# Altium PCB Simulation.PcbDoc (part 3 of 3)
Units mil, origin at the board's own origin, x right, y up, seen from the top; angles counter-clockwise.
Board outline 4400 x 4255 mil, 4 copper layers (Top Layer, Internal Plane 1, Internal Plane 2, Bottom Layer), stack 18.2 mil thick; 378 components, 286 nets, 1122 pads, 110 vias.
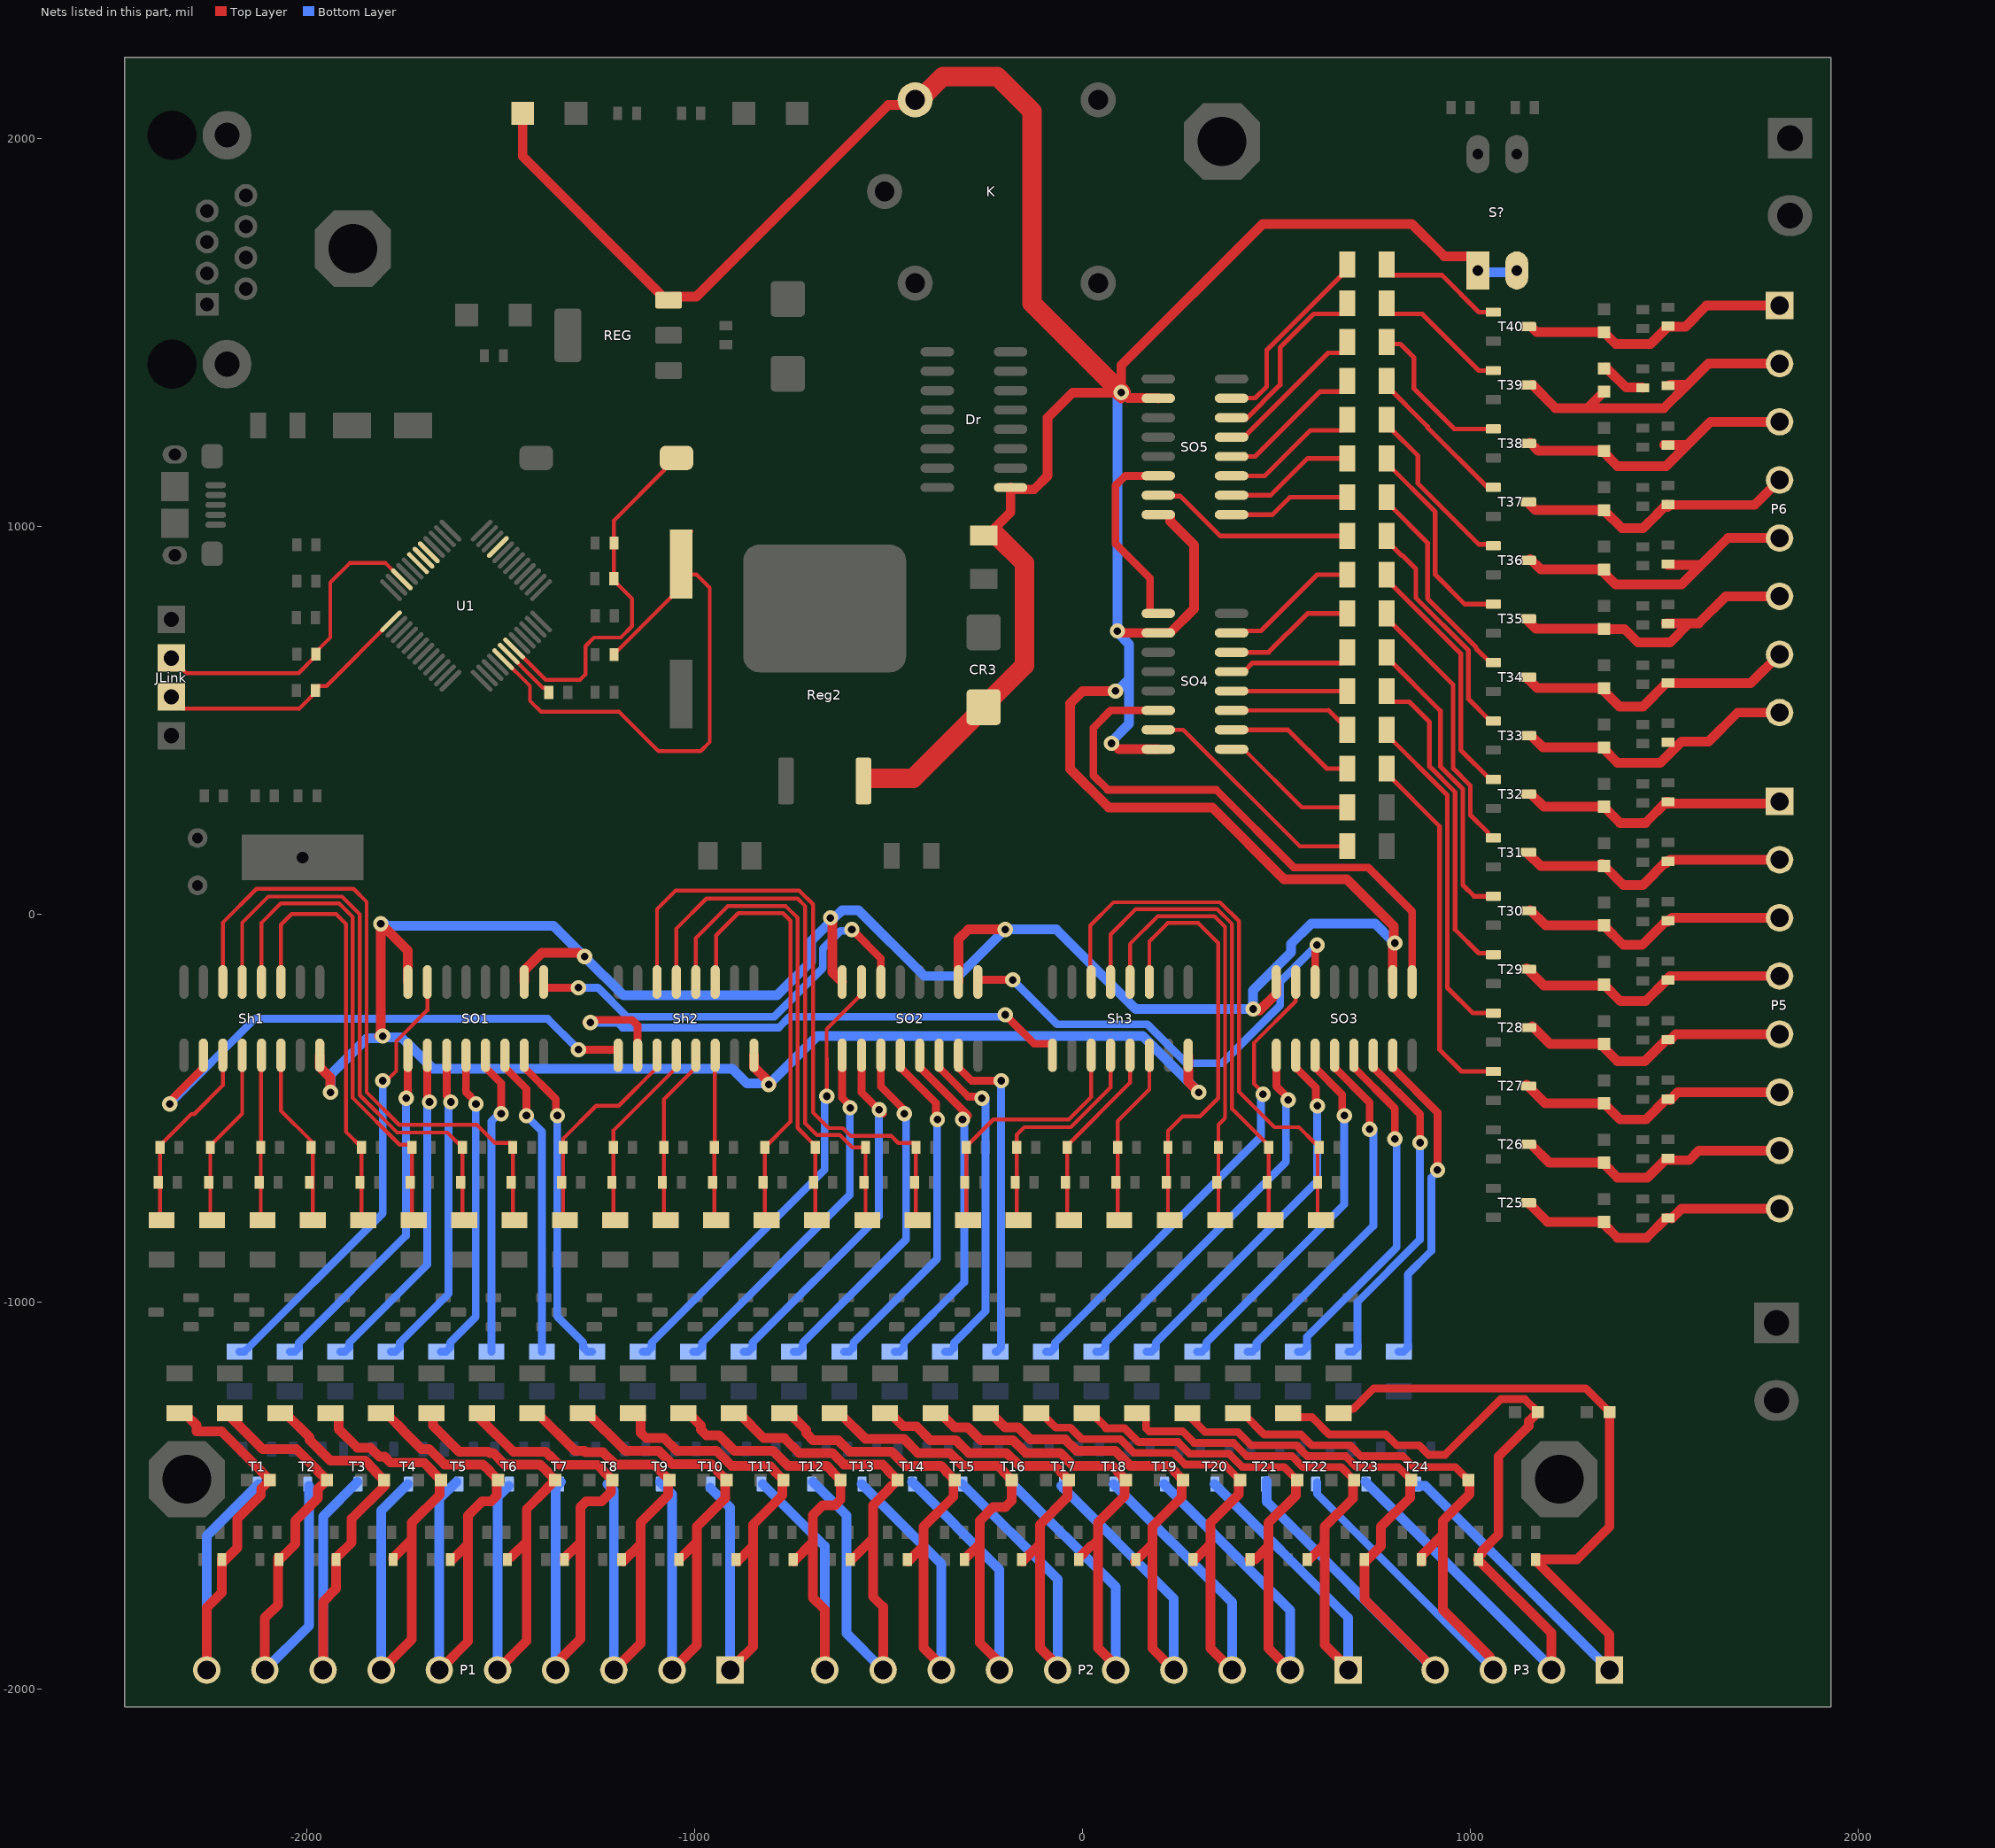
[diagram p5: the nets of this part, all layers, seen from the top]

## Via types
v1: diameter 39.37, hole 19.68, Top Layer to Bottom Layer, 107 vias
v2: diameter 78.74, hole 39.37, Top Layer to Bottom Layer, 3 vias

## Nets (pads, with @x,y where several pads share a name; then routed paths per layer and width w, separated by ;. In a path a pad name is that pad's centre, name@x,y a point inside that pad or via, vN(x,y) a via of type N, cw(c..) or ccw(c..) an arc to the next point about the centre after c; other vN are vias at no path point) (continued)
NetRF27_1: RF27.1 T27.1 | length 963.3
  Top Layer w12: RF27.1@785,395 RF27.1@785,375 785,362.2 921.14,226.07 921.14,-350 977.4,-406.27 T27.1@1059.72,-406.27
NetRF28_1: RF28.1 T28.1 | length 875.5
  Top Layer w12: RF28.1@785,475 785,462.2 941.01,306.19 941.01,-190 1006.61,-255.6 T28.1@1059.72,-255.6
NetRF29_1: RF29.1 T29.1 | length 841.6
  Top Layer w12: RF29.1@790,580 790,557.2 799.67,547.54 842.46,547.54 895,495 895,380.31 960.89,314.43 960.89,-40 1022.04,-101.15 1055.95,-101.15 T29.1@1059.72,-104.93
NetRF30_1: RF30.1 T30.1 | length 775.1
  Top Layer w12: RF30.1@790,680 790,657.2 923.11,524.1 923.11,380.31 980.76,322.66 980.76,75 1010.02,45.73 T30.1@1059.72,45.73
NetRF31_1: RF31.1 T31.1 | length 699.9
  Top Layer w12: RF31.1@790,780 790,757.2 955.76,591.44 955.76,375.76 1000.63,330.89 1000.63,255.49 1046.04,210.09 1046.04,202.21 1051.85,196.4 T31.1@1059.72,196.4
NetRF32_1: RF32.1 T32.1 | length 644.3
  Top Layer w12: RF32.1@790,875 790,857.2 975.64,671.57 975.64,423.28 1051.85,347.07 T32.1@1059.72,347.07
NetRF33_1: RF33.1 T33.1 | length 585.2
  Top Layer w12: RF33.1@790,965 790,957.2 821.95,925.25 824.75,925.25 860,890 860,815.31 995.51,679.8 995.51,554.08 1051.85,497.73 T33.1@1059.72,497.73
NetRF34_1: RF34.1 T34.1 | length 547.9
  Top Layer w12: RF34.1@790,1080 790,1057.2 890,957.2 890,813.42 1015.38,688.03 1015.38,684.87 1051.85,648.4 T34.1@1059.72,648.4
NetRF35_1: RF35.1 T35.1 | length 543
  Top Layer w12: RF35.1@785,1185 RF35.1@785,1175 785,1162.2 909.87,1037.33 909.87,875 985.81,799.07 T35.1@1059.72,799.07
NetRF36_1: RF36.1 T36.1 | length 432.1
  Top Layer w12: RF36.1@795,1252.2 865,1182.2 865,1110.31 1022.04,953.27 1056.19,953.27 T36.1@1059.72,949.73
NetRF37_1: RF37.1 T37.1 | length 399.3
  Top Layer w12: RF37.1@780,1375 780,1367.2 890,1257.2 890,1255 1044.6,1100.4 T37.1@1059.72,1100.4
NetRF38_1: RF38.1 T38.1 | length 409.3
  Top Layer w12: RF38.1@790,1475 795,1470 820,1470 855,1435 855,1355 958.93,1251.07 T38.1@1059.72,1251.07
NetRF39_1: RF39.1 T39.1 | length 354
  Top Layer w12: RF39.1@785,1575 785,1562.2 799.67,1547.54 876.24,1547.54 1022.04,1401.73 T39.1@1059.72,1401.73
NetRF40_1: RF40.1 T40.1 | length 343
  Top Layer w12: RF40.1@785,1685 RF40.1@785,1675 785,1662.2 799.67,1647.54 926.9,1647.54 1022.04,1552.4 T40.1@1059.72,1552.4
NetRL39_1: RL39.1 UP.1 | length 116.9
  Top Layer w25: UP.1@1350,1410 1402.24,1357.76 1444.31,1357.76 RL39.1@1445,1357.07
NetSh1_10: Sh1.10 Sh2.9 | length 1456.8
  Top Layer w20: v1@-2355,-495 -2355,-483.64 -2267.35,-395.98 Sh1.10@-2267.35,-364.49 ; v1@-1295,-355 -1295,-353.95 -1291.05,-350 -1199.09,-350 -1197.42,-351.67 Sh2.9@-1197.42,-364.49
  Bottom Layer w20: v1(-2354.33,-490) -2134.71,-270.37 -1379.63,-270.37 -1305,-345 v1@-1305,-350
  other v1: -1300,-350
NetSh2_10: Sh2.10 Sh3.9 | length 1474.5
  Top Layer w20: v1@-1280,-280 -1273.28,-273.28 -1161.72,-273.28 -1147.42,-287.58 Sh2.10@-1147.42,-364.49 ; v1@-195,-265 -194.33,-265 -124.54,-334.8 -79.16,-334.8 -77.49,-336.47 Sh3.9@-77.49,-364.49
  Bottom Layer w20: v1(-1269.33,-280) -1268.98,-280.35 -1199.07,-280.35 -1186.55,-292.87 -783.45,-292.87 -755.58,-265 v1@-205,-265
  other v1: -199.33,-260
NetSO1_9: SO1.9 SO2.14 | length 1126.5
  Top Layer w20: SO1.9@-1389.86,-175.51 -1389.86,-188.33 -1388.19,-190 v1(-1300,-190) ; v1@-590,-40 -590,-45 -519.93,-115.07 SO2.14@-519.93,-175.51
  Bottom Layer w20: v1(-1300,-190) -1250,-190 -1175,-265 -795,-265 -669.54,-139.54 -669.54,-89.54 -623.71,-43.71 -598.71,-43.71 v1(-595,-40)
NetSO2_9: SO2.9 SO3.14 | length 1225.3
  Top Layer w20: SO2.9@-269.93,-175.51 -269.93,-171.67 -268.26,-170 -188.95,-170 -185,-166.05 v1@-185,-165 ; SO3.14@600,-175.51 600,-90.24 605,-85.24 v1(605,-80)
  Bottom Layer w20: v1(-180,-170) -65.37,-284.63 167.58,-284.63 267.96,-385 360,-385 510,-235 510,-175 v1(605,-80)
NetSO3_9: SO3.9 SO4.14 | length 1443
  Top Layer w20: SO4.14@180,525 72.87,525 27.87,480 27.87,357.46 65.33,320 345,320 545,120 736.88,120 850,6.88 SO3.9@850,-175.51
NetSO4_9: SO4.9 SO5.14 | length 507.7
  Top Layer w20: SO5.14@195,1130 110,1130 85,1105 85,955 174.02,865.98 174.02,776.67 175.69,775 SO4.9@195.51,775
NetU1_21: U1.21
NetU1_29: U1.29
NetU1_30: U1.30
NetU1_31: U1.31
OSCIN: C6.1 U1.5 Y2.2 | length 1579.8
  Top Layer w10: U1.5@-1493.96,657.2 -1425,588.24 -1425,550 -1396.5,521.5 -1195.39,521.5 -1093.89,420 -985,420 -961.5,443.5 -961.5,841.5 -995.86,875.86 -1010.47,875.86 -1030,895.39 Y2.2@-1030,920 ; C6.1@-1208.31,668.83 -1208.31,673.75 -1201.5,680.56 -1197.9,680.56 -1035,843.47 Y2.2@-1035,902.52 -1035,961.58 -1010.47,986.1 Y2.2@-1008.31,986.1
OSCOUT: R3.1 U1.6 | length 147.8
  Top Layer w10: U1.6@-1480.04,671.12 -1392.13,583.21 -1383.25,583.21 -1376.44,576.4 R3.1@-1376.44,571.48
RESET: C10.1 R10.2 RES.2 U1.7 | length 961.9
  Top Layer w10: U1.7@-1466.12,685.04 -1465.63,685.04 -1384.73,604.14 -1295.86,604.14 -1281.99,618.01 -1281.99,690.9 -1260.01,712.88 -1190.87,712.88 -1161.77,741.98 -1161.77,813.27 -1208.61,860.12 R10.2@-1208.61,865.04 -1208.46,865.19 -1208.46,956.85 C10.1@-1208.31,957 -1208.31,1015.23 -1078.54,1145.01 -1078.54,1150.8 -1052.86,1176.48 RES.2@-1047.06,1176.48
SI24_0: L1.2 P1.10 RJ1.1 RP1.2 T1.3 | length 1408.3
  Top Layer w25: RJ1.1@-2330,-1295 -2308.86,-1295 -2285,-1318.86 -2285,-1335 -2219.69,-1335 -2118.88,-1435.81 -2118.88,-1437.07 L1.2@-2095.94,-1460 -2118.88,-1482.93 -2118.88,-1498.88 -2180,-1560 -2180,-1635 RP1.2@-2215,-1670 ; P1.10@-2258.72,-1950 -2258.72,-1788.72 -2220,-1750 RP1.2@-2220,-1665
  Bottom Layer w25: P1.10@-2258.72,-1950 -2258.72,-1603.72 T1.3@-2125,-1470
SI24_1: L2.2 P1.9 RJ2.1 RP2.2 T2.3 | length 1414.6
  Top Layer w25: RJ2.1@-2195,-1280 -2195,-1300 -2115,-1380 -2027.5,-1380 -1971.68,-1435.81 -1971.68,-1437.07 L2.2@-1948.75,-1460 -1971.68,-1482.93 -1971.68,-1506.68 -2030,-1565 -2030,-1625 RP2.2@-2070,-1665 ; P1.9@-2108.72,-1950 -2108.72,-1815.65 -2075,-1781.94 RP2.2@-2075,-1660
  Bottom Layer w25: P1.9@-2108.72,-1950 -1995,-1836.28 T2.3@-1995,-1475
SI24_2: L3.2 P1.8 RJ3.1 RP3.2 T3.3 | length 1411.8
  Top Layer w25: RJ3.1@-2070.18,-1290 -2053.86,-1290 -1994.16,-1349.7 -1994.16,-1355.84 -1940,-1410 -1850.3,-1410 -1824.49,-1435.81 -1824.49,-1437.07 L3.2@-1801.56,-1460 ; P1.8@-1958.72,-1950 -1958.72,-1773.72 -1925,-1740 RP3.2@-1925,-1669.23 ; RP3.2@-1925.31,-1665 -1925.31,-1661.46 -1884.81,-1620.96 -1884.81,-1559.81 -1800,-1475 L3.2@-1800,-1465
  Bottom Layer w25: P1.8@-1958.72,-1950 -1958.72,-1553.72 T3.3@-1870,-1465
SI24_3: L4.2 P1.7 RJ4.1 RP4.2 T4.3 | length 1497.2
  Top Layer w25: RJ4.1@-1930,-1290 -1923.86,-1290 -1918.33,-1295.53 -1918.33,-1328.8 -1870,-1377.13 -1836.69,-1377.13 -1813.81,-1400 -1800,-1400 -1785,-1415 -1698.11,-1415 -1677.29,-1435.81 -1677.29,-1437.07 L4.2@-1654.36,-1460 -1657.61,-1463.25 -1657.61,-1497.61 -1730,-1570 -1730,-1613.5 ; P1.7@-1810,-1940 -1798.72,-1940 -1730,-1871.28 -1730,-1613.5 ; RP4.2@-1777.96,-1665 -1777.96,-1661.46 -1730,-1613.5
  Bottom Layer w25: P1.7@-1808.72,-1950 -1808.72,-1538.72 T4.3@-1740,-1470
SI24_4: L5.2 P1.6 RJ5.1 RP5.2 T5.3 | length 1502.2
  Top Layer w25: RJ5.1@-1815,-1295 -1788.86,-1295 -1752.97,-1330.89 -1752.97,-1332.03 -1705,-1380 -1685,-1380 -1645,-1420 -1545.91,-1420 -1528.24,-1437.68 -1528.24,-1438.93 L5.2@-1507.17,-1460 -1510.42,-1463.25 -1510.42,-1500.36 -1525.06,-1515 -1548.51,-1515 -1585,-1551.49 -1585,-1625 ; P1.6@-1655,-1950 -1655,-1946.28 -1585,-1876.28 -1585,-1625 ; RP5.2@-1625,-1665 -1585,-1625
  Bottom Layer w25: P1.6@-1658.72,-1950 -1658.72,-1508.72 T5.3@-1615,-1465
SI24_5: L6.2 P1.5 RJ6.1 RP6.2 T6.3 | length 1501.2
  Top Layer w25: RJ6.1@-1675,-1295 -1675,-1320 -1607.87,-1387.13 -1532.3,-1387.13 -1529.42,-1390 -1520,-1390 -1490,-1420 -1398.72,-1420 -1381.04,-1437.68 -1381.04,-1438.93 L6.2@-1359.97,-1460 -1382.91,-1482.93 -1382.91,-1484.19 -1433.72,-1535 -1433.72,-1618.72 ; P1.5@-1510,-1955 -1510,-1951.28 P1.5@-1508.72,-1950 -1433.72,-1875 -1433.72,-1618.72 ; RP6.2@-1475,-1660 -1433.72,-1618.72
  Bottom Layer w25: P1.5@-1508.72,-1950 -1508.72,-1503.72 T6.3@-1480,-1475
SI24_6: L7.2 P1.4 RJ7.1 RP7.2 T7.3 | length 1530.3
  Top Layer w25: RJ7.1@-1555,-1290 -1555,-1300 -1467.87,-1387.13 -1385.1,-1387.13 -1375.47,-1396.75 ; P1.4@-1356.13,-1935 -1349.94,-1928.81 -1349.94,-1924.94 -1295,-1870 -1295,-1620.54 ; RP7.2@-1335.92,-1665 -1335.92,-1661.46 -1295,-1620.54 ; -1375.47,-1396.75 -1375.05,-1397.18 -1374.63,-1396.75 ; -1375.47,-1396.75 -1374.63,-1396.75 ; -1374.63,-1396.75 -1373.25,-1396.75 -1349.24,-1420.76 -1250.76,-1420.76 -1235.71,-1435.81 -1235.71,-1437.07 L7.2@-1212.78,-1460 -1216.03,-1463.25 -1216.03,-1491.03 -1240,-1515 -1280,-1515 -1295,-1530 -1295,-1620.54
  Bottom Layer w25: P1.4@-1358.72,-1950 -1358.72,-1478.72 T7.3@-1345,-1465
SI24_7: L8.2 P1.3 RJ8.1 RP8.2 T8.3 | length 1531
  Top Layer w25: RJ8.1@-1419.29,-1287.36 -1406.5,-1287.36 RJ8.1@-1403.86,-1290 ; RJ8.1@-1415,-1290 RJ8.1@-1403.86,-1290 ; P1.3@-1205,-1945 -1203.72,-1945 -1140,-1881.28 -1140,-1625 ; RP8.2@-1185,-1670 -1140,-1625 ; RJ8.1@-1403.86,-1290 -1308.86,-1385 -1285,-1385 -1282.11,-1387.89 -1237.15,-1387.89 -1205.03,-1420 -1104.33,-1420 -1086.65,-1437.68 -1086.65,-1438.93 L8.2@-1065.58,-1460 -1068.83,-1463.25 -1068.83,-1498.83 -1140,-1570 -1140,-1625
  Bottom Layer w25: T8.3@-1225,-1470 -1208.72,-1486.28 P1.3@-1208.72,-1950
SI24_8: L9.2 P1.2 RJ9.1 RP9.2 T9.3 | length 1560.8
  Top Layer w25: RJ9.1@-1295,-1285 -1278.86,-1285 -1178.86,-1385 -1092.84,-1385 -1058.92,-1418.92 -958.22,-1418.92 -939.46,-1437.68 -939.46,-1438.93 L9.2@-918.39,-1460 -921.64,-1463.25 -921.64,-1506.64 -995,-1580 -995,-1620 ; P1.2@-1060,-1950 P1.2@-1058.72,-1950 -995,-1886.28 -995,-1620 ; RP9.2@-1040,-1665 -995,-1620
  Bottom Layer w25: T9.3@-1090,-1465 -1058.72,-1496.28 P1.2@-1058.72,-1950
SI24_9: L10.2 P1.1 RJ10.1 RP10.2 T10.3 | length 1595.8
  Top Layer w25: RJ10.1@-1165,-1290 -1145.53,-1290 -1140,-1295.53 -1140,-1337.48 -1125.36,-1352.13 -1078.94,-1352.13 -1046.06,-1385 -943.88,-1385 -905,-1423.88 -806.06,-1423.88 -792.12,-1437.82 -792.12,-1439.07 L10.2@-771.2,-1460 -774.44,-1463.25 -774.44,-1499.44 -850,-1575 -850,-1630 ; RJ10.1@-1159.29,-1287.36 -1146.5,-1287.36 RJ10.1@-1138.33,-1295.53 ; P1.1@-900,-1940 -898.72,-1940 -885.78,-1927.07 -885.78,-1925.78 -850,-1890 -850,-1630 ; RP10.2@-890,-1670 -850,-1630
  Bottom Layer w25: T10.3@-960,-1480 -908.72,-1531.28 P1.1@-908.72,-1950
SI24_10: L11.2 P2.10 RJ11.1 RP11.2 T11.3 | length 1653.2
  Top Layer w25: RJ11.1@-1030,-1290 -1013.86,-1290 -984.64,-1319.22 -984.64,-1330.36 -970,-1345 -937.39,-1345 -897.39,-1385 -798.45,-1385 -759.57,-1423.88 -658.87,-1423.88 -644.93,-1437.82 -644.93,-1439.07 L11.2@-624,-1460 -624,-1510.36 -638.65,-1525 -670,-1525 -695,-1550 -695,-1620 ; RP11.2@-745,-1670 -695,-1620 ; P2.10@-660,-1950 -664.29,-1945.71 -664.29,-1794.15 -695,-1763.44 -695,-1620
  Bottom Layer w25: T11.3@-825,-1470 -664.29,-1630.71 P2.10@-664.29,-1950
SI24_11: L12.2 P2.9 RJ12.1 RP12.2 T12.3 | length 1672.3
  Top Layer w25: RJ12.1@-910,-1290 -883.86,-1290 -821.73,-1352.13 -768.94,-1352.13 -731.06,-1390 -645,-1390 -615,-1420 -515.55,-1420 -499.74,-1435.81 -499.74,-1437.07 L12.2@-476.81,-1460 -499.74,-1482.93 -499.74,-1484.19 -540.55,-1525 -540.55,-1610.55 ; RP12.2@-595,-1665 -540.55,-1610.55 ; P2.9@-505,-1950 -514.29,-1940.71 -514.29,-1787.2 -540.55,-1760.94 -540.55,-1610.55
  Bottom Layer w25: T12.3@-695,-1465 -609.03,-1550.97 -609.03,-1855.26 P2.9@-514.29,-1950
SI24_12: L13.2 P2.8 RJ13.1 RP13.2 T13.3 | length 1675.1
  Top Layer w25: RJ13.1@-765,-1290 -753.86,-1290 -712.97,-1330.89 -712.97,-1339.15 -695,-1357.13 -630,-1357.13 -600,-1387.13 -492.3,-1387.13 -455.55,-1423.88 -364.48,-1423.88 -350.54,-1437.82 -350.54,-1439.07 L13.2@-329.61,-1460 -332.86,-1463.25 -332.86,-1502.86 -410,-1580 -410,-1630 ; RP13.2@-450,-1670 -410,-1630 ; P2.8@-365,-1950 -365,-1937.56 -410,-1892.56 -410,-1630
  Bottom Layer w25: T13.3@-570,-1470 -364.29,-1675.71 P2.8@-364.29,-1950
SI24_13: L14.2 P2.7 RJ14.1 RP14.2 T14.3 | length 1725.9
  Top Layer w25: RJ14.1@-650,-1295 -618.86,-1295 -559.61,-1354.25 -460.37,-1354.25 -424.63,-1390 -342.27,-1390 -308.39,-1423.88 -217.29,-1423.88 -203.34,-1437.82 -203.34,-1439.07 L14.2@-182.42,-1460 -182.42,-1513.25 -199.17,-1530 -230.36,-1530 -265.18,-1564.82 -265.18,-1625.18 ; RP14.2@-300,-1660 -265.18,-1625.18 ; P2.7@-205,-1940 -211.88,-1940 -223.07,-1928.81 -223.07,-1921.93 -265.18,-1879.82 -265.18,-1625.18
  Bottom Layer w25: T14.3@-440,-1465 -214.29,-1690.71 P2.7@-214.29,-1950
SI24_14: L15.2 P2.6 RJ15.1 RP15.2 T15.3 | length 1738.9
  Top Layer w25: RJ15.1@-515,-1290 -493.86,-1290 -462.48,-1321.38 -428.22,-1321.38 -392.48,-1357.13 -326.44,-1357.13 -293.56,-1390 -196.38,-1390 -162.5,-1423.88 -70.09,-1423.88 -56.15,-1437.82 -56.15,-1439.07 L15.2@-35.22,-1460 -38.47,-1463.25 -38.47,-1503.47 -110,-1575 -110,-1625 ; RP15.2@-155,-1670 -110,-1625 ; P2.6@-70,-1955 -70,-1932.56 -110,-1892.56 -110,-1625
  Bottom Layer w25: T15.3@-310,-1470 -64.29,-1715.71 P2.6@-64.29,-1950
SI24_15: L16.2 P2.5 RJ16.1 RP16.2 T16.3 | length 1748.8
  Top Layer w25: RJ16.1@-368.86,-1285 -330,-1323.86 -330,-1324.25 -295.35,-1324.25 -262.48,-1357.13 -178.97,-1357.13 -146.09,-1390 -57.48,-1390 -23.6,-1423.88 77.1,-1423.88 91.05,-1437.82 91.05,-1439.07 L16.2@111.97,-1460 108.72,-1463.25 108.72,-1501.28 40,-1570 40,-1615 ; RP16.2@-9.1,-1660.77 22.02,-1629.64 25.36,-1629.64 40,-1615 ; P2.5@80,-1950 80,-1932.56 40,-1892.56 40,-1615
  Bottom Layer w25: T16.3@-180,-1470 85.71,-1735.71 P2.5@85.71,-1950
SI24_16: L17.2 P2.4 RJ17.1 RP17.2 T17.3 | length 1782.9
  Top Layer w25: RJ17.1@-245,-1290 -233.86,-1290 -199.61,-1324.25 -165.35,-1324.25 -134.6,-1355 -45,-1355 -15,-1385 84.72,-1385 123.59,-1423.88 224.3,-1423.88 238.24,-1437.82 238.24,-1439.07 L17.2@259.17,-1460 255.92,-1463.25 255.92,-1504.08 180,-1580 180,-1625 ; RP17.2@135,-1670 180,-1625 ; P2.4@230,-1955 230,-1944.29 180,-1894.29 180,-1625
  Bottom Layer w25: T17.3@-55,-1475 235.71,-1765.71 P2.4@235.71,-1950
SI24_17: L18.2 P2.3 RJ18.1 RP18.2 T18.3 | length 1816.5
  Top Layer w20: RJ18.1@-125,-1285 -108.86,-1285 -69.23,-1324.63 -31.44,-1324.63 -1.44,-1354.63 97.3,-1354.63 132.67,-1390 235,-1390 265,-1420 366.36,-1420 L18.2@406.36,-1460
  Top Layer w25: RP18.2@285,-1670 330,-1625 ; P2.3@380,-1950 380,-1944.29 330,-1894.29 330,-1625 ; L18.2@406.36,-1460 403.11,-1463.25 403.11,-1496.89 330,-1570 330,-1625
  Bottom Layer w25: T18.3@80,-1470 385.71,-1775.71 P2.3@385.71,-1950
SI24_18: L19.2 P2.2@535.71,-1950 RJ19.1 RP19.2 T19.3 | length 1837.3
  Top Layer w20: RJ19.1@5,-1290 RJ19.1@10.71,-1290 ; RJ19.1@10.71,-1287.36 23.5,-1287.36 60,-1323.86 60,-1326.75 108.84,-1326.75 144.22,-1362.13 246.55,-1362.13 276.55,-1392.13 377.91,-1392.13 412.16,-1426.38 519.93,-1426.38 L19.2@553.55,-1460
  Top Layer w25: RP19.2@430,-1665 RP19.2@432.25,-1665 445,-1665 480,-1630 ; P2.2@530,-1945 530,-1944.29 480,-1894.29 480,-1630 ; L19.2@553.55,-1460 550.31,-1463.25 550.31,-1499.69 480,-1570 480,-1630
  Bottom Layer w25: T19.3@210,-1470 535.71,-1795.71 P2.2@535.71,-1950
SI24_19: L20.2 P2.1@685.71,-1950 RJ20.1 RP20.2 T20.3 | length 1876.3
  Top Layer w20: RJ20.1@135,-1290 156.14,-1290 164.17,-1298.03 164.17,-1326.33 172.09,-1334.25 258.09,-1334.25 288.09,-1364.25 389.45,-1364.25 423.7,-1398.5 540.37,-1398.5 568.25,-1426.38 667.13,-1426.38 L20.2@700.75,-1460
  Top Layer w25: RP20.2@585,-1665 625,-1625 ; P2.1@685,-1945 680.71,-1945 662.77,-1927.07 662.77,-1922.77 625,-1885 625,-1625 ; L20.2@700.75,-1460 697.5,-1463.25 697.5,-1507.5 625,-1580 625,-1625
  Bottom Layer w25: T20.3@340,-1470 685.71,-1815.71 P2.1@685.71,-1950
SI24_20: L21.2 P3.4 RJ21.1 RP21.2 T21.3 | length 1907.2
  Top Layer w20: RJ21.1@280,-1300 316.38,-1336.38 401,-1336.38 435.25,-1370.63 551.92,-1370.63 579.79,-1398.5 678.67,-1398.5 706.55,-1426.38 814.32,-1426.38 L21.2@847.94,-1460
  Top Layer w25: RP21.2@726.95,-1665 726.95,-1767.51 899.44,-1940 P3.4@900,-1940 ; RP21.2@730,-1670 770,-1630 770,-1580 844.7,-1505.3 844.7,-1463.25 L21.2@847.94,-1460
  Bottom Layer w25: T21.3@475,-1462.87 475,-1515.56 P3.4@909.44,-1950
SI24_21: L22.2 P3.3 RJ22.1 RP22.2 T22.3 | length 1999.9
  Top Layer w20: RJ22.1@395,-1290 416.14,-1290 468.9,-1342.76 563.47,-1342.76 591.34,-1370.63 690.22,-1370.63 718.09,-1398.5 825.87,-1398.5 853.74,-1426.38 961.52,-1426.38 L22.2@995.14,-1460
  Top Layer w25: RP22.2@875,-1670 875,-1655 930,-1600 ; L22.2@995.14,-1460 998.39,-1463.25 998.39,-1496.61 930,-1565 930,-1600 ; P3.3@1065,-1930 1051.85,-1930 1050.67,-1928.81 1050.67,-1915.66 930,-1795 930,-1600
  Bottom Layer w20: T22.3@605,-1465 605,-1495.56 P3.3@1059.44,-1950
SI24_22: L23.2 P3.2 RJ23.1 RP23.2 T23.3 | length 2231.3
  Top Layer w20: RJ23.1@530,-1295 533.03,-1298.03 591.96,-1298.03 636.69,-1342.76 782.76,-1342.76 810.63,-1370.63 868.25,-1370.63 892.62,-1395 935,-1395 1078.62,-1251.38 1140.91,-1251.38 L23.2@1174.53,-1285